# Altium PCB PCB.PcbDoc (part 2 of 5)
Units mm, origin at the board's own origin, x right, y up, seen from the top; angles counter-clockwise.
Board outline 112 x 68.3 mm, 8 copper layers (Top Layer (Sig 1), Ground Plane 1, Signal Layer 2, Power Plane 1, Power Plane 2, Signal Layer 3, Ground Plane 2, Bottom Layer (Sig 4)), stack 1.68 mm thick; 392 components, 293 nets, 1571 pads, 926 vias.
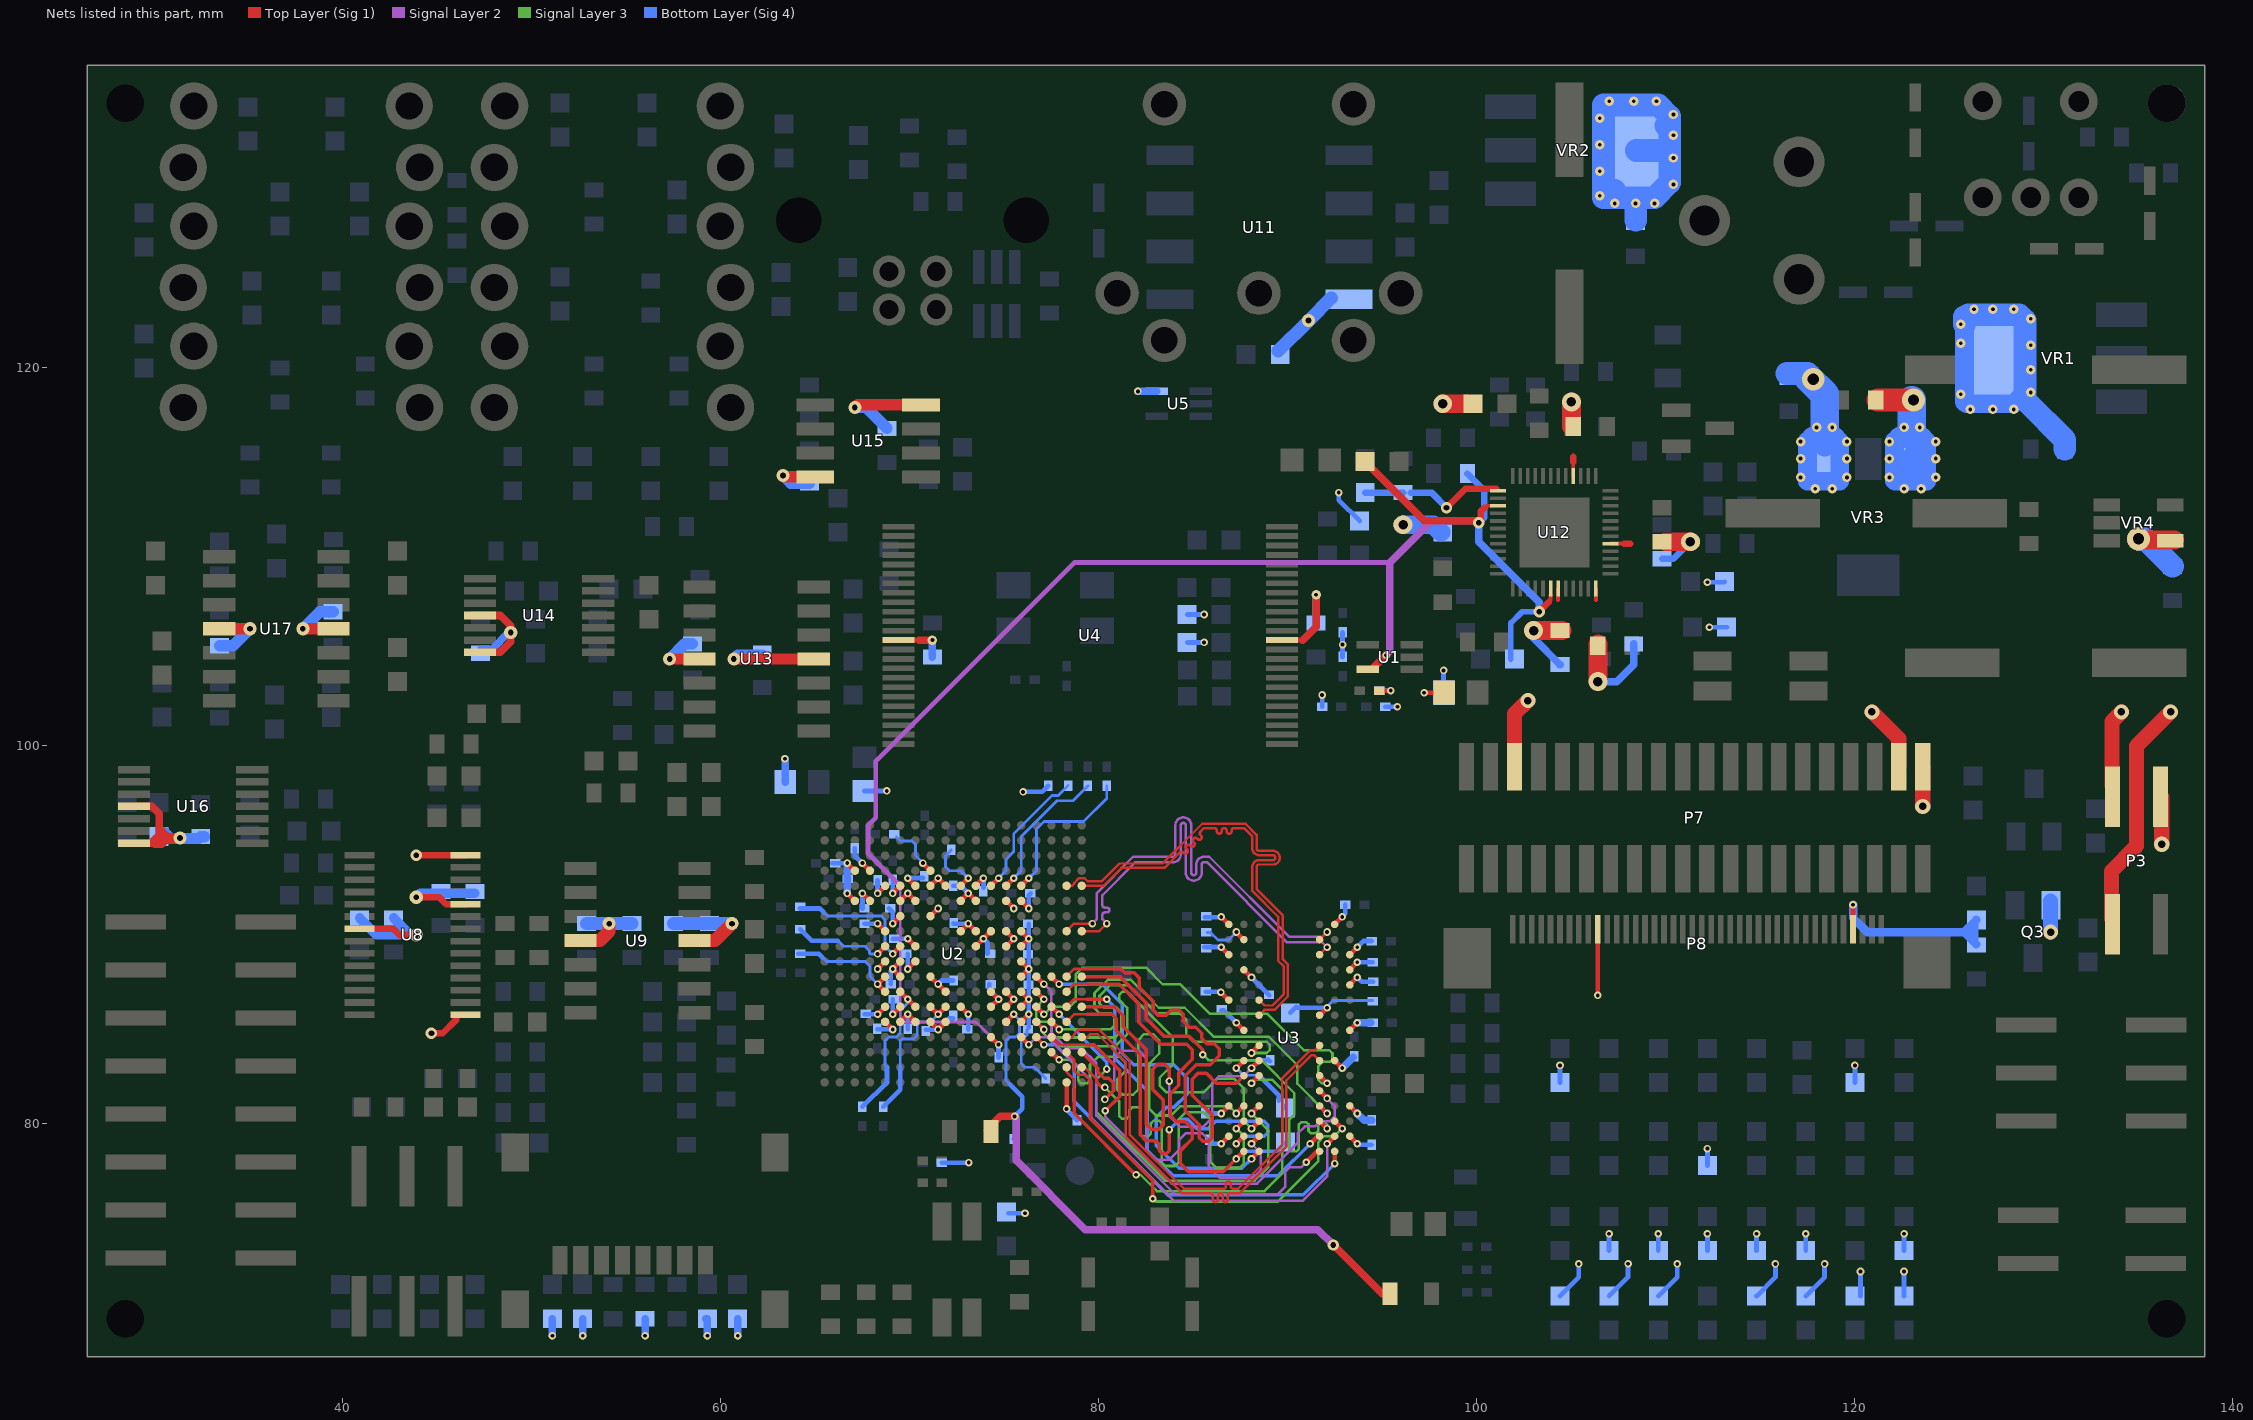
[diagram p8: the nets of this part, all layers, seen from the top]

## Footprints (in the part's own frame and the unit in brackets; to place one, negate y for a bottom-side part, rotate by r counter-clockwise, add the part's x,y. Pads: shape width x height; smd on the part's side, far side on the other; paste and mask are expansions set on the pad) (continued)
ZCZ324 [mm] "BGA_324"
  round 0.45 smd mask+0.051: A1(-6.8,6.8) A2(-6,6.8) A3(-5.2,6.8) A4(-4.4,6.8) A5(-3.6,6.8) A6(-2.8,6.8) A7(-2,6.8) A8(-1.2,6.8) A9(-0.4,6.8) A10(0.4,6.8) A11(1.2,6.8) A12(2,6.8) A13(2.8,6.8) A14(3.6,6.8) A15(4.4,6.8) A16(5.2,6.8) A17(6,6.8) A18(6.8,6.8) B1(-6.8,6) B2(-6,6) B3(-5.2,6) B4(-4.4,6) B5(-3.6,6) B6(-2.8,6) B7(-2,6) B8(-1.2,6) B9(-0.4,6) B10(0.4,6) B11(1.2,6) B12(2,6) B13(2.8,6) B14(3.6,6) B15(4.4,6) B16(5.2,6) B17(6,6) B18(6.8,6) C1(-6.8,5.2) C2(-6,5.2) C3(-5.2,5.2) C4(-4.4,5.2) C5(-3.6,5.2) C6(-2.8,5.2) C7(-2,5.2) C8(-1.2,5.2) C9(-0.4,5.2) C10(0.4,5.2) C11(1.2,5.2) C12(2,5.2) C13(2.8,5.2) C14(3.6,5.2) C15(4.4,5.2) C16(5.2,5.2) C17(6,5.2) C18(6.8,5.2) D1(-6.8,4.4) D2(-6,4.4) D3(-5.2,4.4) D4(-4.4,4.4) D5(-3.6,4.4) D6(-2.8,4.4) D7(-2,4.4) D8(-1.2,4.4) D9(-0.4,4.4) D10(0.4,4.4) D11(1.2,4.4) D12(2,4.4) D13(2.8,4.4) D14(3.6,4.4) D15(4.4,4.4) D16(5.2,4.4) D17(6,4.4) D18(6.8,4.4) E1(-6.8,3.6) E2(-6,3.6) E3(-5.2,3.6) E4(-4.4,3.6) E5(-3.6,3.6) E6(-2.8,3.6) E7(-2,3.6) E8(-1.2,3.6) E9(-0.4,3.6) E10(0.4,3.6) E11(1.2,3.6) E12(2,3.6) E13(2.8,3.6) E14(3.6,3.6) E15(4.4,3.6) E16(5.2,3.6) E17(6,3.6) E18(6.8,3.6) F1(-6.8,2.8) F2(-6,2.8) F3(-5.2,2.8) F4(-4.4,2.8) F5(-3.6,2.8) F6(-2.8,2.8) F7(-2,2.8) F8(-1.2,2.8) F9(-0.4,2.8) F10(0.4,2.8) F11(1.2,2.8) F12(2,2.8) F13(2.8,2.8) F14(3.6,2.8) F15(4.4,2.8) F16(5.2,2.8) F17(6,2.8) F18(6.8,2.8) G1(-6.8,2) G2(-6,2) G3(-5.2,2) G4(-4.4,2) G5(-3.6,2) G6(-2.8,2) G7(-2,2) G8(-1.2,2) G9(-0.4,2) G10(0.4,2) G11(1.2,2) G12(2,2) G13(2.8,2) G14(3.6,2) G15(4.4,2) G16(5.2,2) G17(6,2) G18(6.8,2) H1(-6.8,1.2) H2(-6,1.2) H3(-5.2,1.2) H4(-4.4,1.2) H5(-3.6,1.2) H6(-2.8,1.2) H7(-2,1.2) H8(-1.2,1.2) H9(-0.4,1.2) H10(0.4,1.2) H11(1.2,1.2) H12(2,1.2) H13(2.8,1.2) H14(3.6,1.2) H15(4.4,1.2) H16(5.2,1.2) H17(6,1.2) H18(6.8,1.2) J1(-6.8,0.4) J2(-6,0.4) J3(-5.2,0.4) J4(-4.4,0.4) J5(-3.6,0.4) J6(-2.8,0.4) J7(-2,0.4) J8(-1.2,0.4) J9(-0.4,0.4) J10(0.4,0.4) J11(1.2,0.4) J12(2,0.4) J13(2.8,0.4) J14(3.6,0.4) J15(4.4,0.4) J16(5.2,0.4) J17(6,0.4) J18(6.8,0.4) K1(-6.8,-0.4) K2(-6,-0.4) K3(-5.2,-0.4) K4(-4.4,-0.4) K5(-3.6,-0.4) K6(-2.8,-0.4) K7(-2,-0.4) K8(-1.2,-0.4) K9(-0.4,-0.4) K10(0.4,-0.4) K11(1.2,-0.4) K12(2,-0.4) K13(2.8,-0.4) K14(3.6,-0.4) K15(4.4,-0.4) K16(5.2,-0.4) K17(6,-0.4) K18(6.8,-0.4) L1(-6.8,-1.2) L2(-6,-1.2) L3(-5.2,-1.2) L4(-4.4,-1.2) L5(-3.6,-1.2) L6(-2.8,-1.2) L7(-2,-1.2) L8(-1.2,-1.2) L9(-0.4,-1.2) L10(0.4,-1.2) L11(1.2,-1.2) L12(2,-1.2) L13(2.8,-1.2) L14(3.6,-1.2) L15(4.4,-1.2) L16(5.2,-1.2) L17(6,-1.2) L18(6.8,-1.2) M1(-6.8,-2) M2(-6,-2) M3(-5.2,-2) M4(-4.4,-2) M5(-3.6,-2) M6(-2.8,-2) M7(-2,-2) M8(-1.2,-2) M9(-0.4,-2) M10(0.4,-2) M11(1.2,-2) M12(2,-2) M13(2.8,-2) M14(3.6,-2) M15(4.4,-2) M16(5.2,-2) M17(6,-2) M18(6.8,-2) N1(-6.8,-2.8) N2(-6,-2.8) N3(-5.2,-2.8) N4(-4.4,-2.8) N5(-3.6,-2.8) N6(-2.8,-2.8) N7(-2,-2.8) N8(-1.2,-2.8) N9(-0.4,-2.8) N10(0.4,-2.8) N11(1.2,-2.8) N12(2,-2.8) N13(2.8,-2.8) N14(3.6,-2.8) N15(4.4,-2.8) N16(5.2,-2.8) N17(6,-2.8) N18(6.8,-2.8) P1(-6.8,-3.6) P2(-6,-3.6) P3(-5.2,-3.6) P4(-4.4,-3.6) P5(-3.6,-3.6) P6(-2.8,-3.6) P7(-2,-3.6) P8(-1.2,-3.6) P9(-0.4,-3.6) P10(0.4,-3.6) P11(1.2,-3.6) P12(2,-3.6) P13(2.8,-3.6) P14(3.6,-3.6) P15(4.4,-3.6) P16(5.2,-3.6) P17(6,-3.6) P18(6.8,-3.6) R1(-6.8,-4.4) R2(-6,-4.4) R3(-5.2,-4.4) R4(-4.4,-4.4) R5(-3.6,-4.4) R6(-2.8,-4.4) R7(-2,-4.4) R8(-1.2,-4.4) R9(-0.4,-4.4) R10(0.4,-4.4) R11(1.2,-4.4) R12(2,-4.4) R13(2.8,-4.4) R14(3.6,-4.4) R15(4.4,-4.4) R16(5.2,-4.4) R17(6,-4.4) R18(6.8,-4.4) T1(-6.8,-5.2) T2(-6,-5.2) T3(-5.2,-5.2) T4(-4.4,-5.2) T5(-3.6,-5.2) T6(-2.8,-5.2) T7(-2,-5.2) T8(-1.2,-5.2) T9(-0.4,-5.2) T10(0.4,-5.2) T11(1.2,-5.2) T12(2,-5.2) T13(2.8,-5.2) T14(3.6,-5.2) T15(4.4,-5.2) T16(5.2,-5.2) T17(6,-5.2) T18(6.8,-5.2) U1(-6.8,-6) U2(-6,-6) U3(-5.2,-6) U4(-4.4,-6) U5(-3.6,-6) U6(-2.8,-6) U7(-2,-6) U8(-1.2,-6) U9(-0.4,-6) U10(0.4,-6) U11(1.2,-6) U12(2,-6) U13(2.8,-6) U14(3.6,-6) U15(4.4,-6) U16(5.2,-6) U17(6,-6) U18(6.8,-6) V1(-6.8,-6.8) V2(-6,-6.8) V3(-5.2,-6.8) V4(-4.4,-6.8) V5(-3.6,-6.8) V6(-2.8,-6.8) V7(-2,-6.8) V8(-1.2,-6.8) V9(-0.4,-6.8) V10(0.4,-6.8) V11(1.2,-6.8) V12(2,-6.8) V13(2.8,-6.8) V14(3.6,-6.8) V15(4.4,-6.8) V16(5.2,-6.8) V17(6,-6.8) V18(6.8,-6.8)
  silkscreen extent -8.8,-7.87 7.87,7.87, body extent -7.54,-7.54 7.54,7.54, height 1.4

## Part data
C1 C2 C4 C5 C6 C7 C12 C115 C119 C120 C121 C122 C123 C125 C126 C127 C128 C130 C131 C132 C134 C136 C139 C141 C142 C143 C144 C176 C177 C178 C179 C180 C181 C182 C183 C184 C185 C186 C187 C188 C189 C190 C191 C192 C193 C194 C195 C196 C197 C198 C199 C200 C201 C202 C203 C204 C205 C206 C207 C208 C209: library part "Cap Semi", "Capacitor (Semiconductor SIM Model)"
C3 C8 C9 C10: library part "Cap Pol1", "Polarized Capacitor (Radial)"
C11 C39 C40 C41 C124 C129 C133 C135 C137 C138 C140: library part "Cap Semi", "Capacitor"
C13 C14 C15 C16 C17 C18 C19 C20 C21 C22 C23 C24 C25 C26 C27 C28 C29 C30 C31 C32 C33 C34 C35 C36 C37 C38 C42 C43 C44 C45 C46 C47 C48 C49 C50 C51 C52 C53 C54 C55 C56 C57 C58 C59 C60 C61 C62 C63 C64 C65 C66 C67 C68 C69 C70 C71 C72 C73 C74 C75 C76 C77 C78 C79 C80 C81 C82 C83 C84 C85 C86 C87 C88 C89 C90 C91 C92 C93 C94 C95 C96 C97 C98 C99 C100 C101 C102 C103 C104 C105 C106 C107 C108 C109 C110 C111 C112 C113 C114: library part Cap, "Capacitor"
C116 C117 C118 C158 C159 C160 C161 C162 C163 C164 C165 C166 C167 C168 C169 C170 C171 C172 C173 C174 C175: "Capacitor"
D1 D2 D3 D4 D5 D6 D7 D8 D9: "Diode signaux faibles"
D10: "Zener Diode"
D11: library part LNJ037X8ARA, "LED Blanc"
J1: library part Phonejack2, "Jack Socket Thru-Hole Vertical 2-Conductor Open Circuit"
J2: library part Pad
J3 J4: library part "Dual TRS Jack Bypassed", "Dual Jack stereo bypassed"
L1 L2 L3: library part Inductor
L4: "470nH"
P1: "Header, 8-Pin, Dual row"
P2: "Header, 3-Pin, Dual row"
P3: "Header, 2-Pin, Dual row"
P4: library part JTAG, "Connecteurs carte à carte"
P5: library part UART, "Connecteurs carte à carte"
P6: library part 67068-8010, "Connecteur USB-Type-B"
P7: "Connecteur LCD & Touch screen (limande)"
P8: "Connecteur LCD & Touch screen"
P9: library part MicroSD, "Embase mémoire"
P10: library part "DIN 5pin", "DIN 5pin"
Q1: library part CRYS_32_768KHz_CMS32
Q2: library part XTAL, "Crystal Oscillator"
Q3: "NPN Bipolar Transistor"
Q4: "PNP Bipolar Transistor"
R1 R2 R3 R6 R7 R8 R9 R10 R16 R17 R18 R19 R20 R21 R22 R23 R24 R25 R26 R27 R28 R29 R30 R31 R32 R33 R34 R35 R36 R37 R38 R39 R40 R41 R42 R43 R44 R45 R46 R47 R48 R49 R50 R51 R52 R53 R54 R55 R81 R82 R83 R84 R85 R86 R87 R88 R89 R138 R139: "Resistor"
R4 R5 R11 R12 R13 R14 R15: library part Res2, "Resistor"
R56 R57 R58 R59 R60 R61 R62 R63 R64 R65 R66 R67 R68 R69 R70 R71 R72 R73 R74 R75 R78 R79 R80 R90 R91 R92 R93 R94 R95 R96 R97 R98 R99 R100 R101 R102 R103 R104 R105 R106 R107 R108 R109 R110 R111 R112 R113 R114 R115 R116 R117 R118 R119 R120 R121 R122 R123 R124 R125 R126 R127 R128 R129 R130 R131 R132 R133 R134 R135 R136 R137: library part Res3, "Resistor"
S1: "SPDT Subminiature Toggle Switch, Right Angle Mounting, Vertical Actuation"
S2 S3: "Commutateur tactile"
U1 U5: "Buffers & Transmetteurs"
U2: "Microprocesseur ARM"
U3: "Mémoire DDR3/SRAM"
U4: "Mémoire Flash/NAND"
U7: "Protection_ESD"
U8: "Stereo In/Out Audio Codec"
U9 U13 U17: "Quad Audio OpAmp"
U11: "Optocoupler"
U12: "Gestion d'alimentation PMIC"
U14 U16: "Dual DigiPot non volatile I2C"
U15: "Dual Audio OpAmp"
VR1 VR2 VR3 VR4: library part "Volt Reg", "Voltage Regulator"

## Free pads (board coordinates)
  round 0 hole 2: ""(28.5,69.7) ""(28.5,134) ""(136.5,69.7)
  round 2 hole 2: ""(136.5,134)

## Via types
v1: diameter 0.4, hole 0.2, Top Layer (Sig 1) to Bottom Layer (Sig 4), tented top, 394 vias
v2: diameter 0.4, hole 0.2, Top Layer (Sig 1) to Bottom Layer (Sig 4), 265 vias
v3: diameter 0.4, hole 0.2, Top Layer (Sig 1) to Bottom Layer (Sig 4), tented bottom, 83 vias
v4: diameter 0.5, hole 0.2, Top Layer (Sig 1) to Bottom Layer (Sig 4), 44 vias
v5: diameter 1.2, hole 0.6, Top Layer (Sig 1) to Bottom Layer (Sig 4), 27 vias
v6: diameter 0.6, hole 0.3, Top Layer (Sig 1) to Bottom Layer (Sig 4), tented bottom, 15 vias
v7: diameter 0.7, hole 0.3, Top Layer (Sig 1) to Bottom Layer (Sig 4), 15 vias
v8: diameter 0.7, hole 0.3, Top Layer (Sig 1) to Bottom Layer (Sig 4), tented bottom, 13 vias
v9: diameter 0.6, hole 0.3, Top Layer (Sig 1) to Bottom Layer (Sig 4), 10 vias
v10: diameter 0.5, hole 0.2, Top Layer (Sig 1) to Bottom Layer (Sig 4), tented top, 10 vias
v11: diameter 0.5, hole 0.2, Top Layer (Sig 1) to Bottom Layer (Sig 4), tented bottom, 9 vias
v12: diameter 0.6, hole 0.3, Top Layer (Sig 1) to Bottom Layer (Sig 4), tented top, 9 vias
v13: diameter 0.8, hole 0.4, Top Layer (Sig 1) to Bottom Layer (Sig 4), 8 vias
v14: diameter 1, hole 0.5, Top Layer (Sig 1) to Bottom Layer (Sig 4), tented top, 7 vias
v15: diameter 1, hole 0.5, Top Layer (Sig 1) to Bottom Layer (Sig 4), tented bottom, 5 vias
v16: diameter 1.2, hole 0.6, Top Layer (Sig 1) to Bottom Layer (Sig 4), tented bottom, 4 vias
v17: diameter 0.8, hole 0.4, Top Layer (Sig 1) to Bottom Layer (Sig 4), tented bottom, 3 vias
v18: diameter 0.8, hole 0.4, Top Layer (Sig 1) to Bottom Layer (Sig 4), tented top, 2 vias
v19: diameter 0.4, hole 0.2, Top Layer (Sig 1) to Bottom Layer (Sig 4), tented both sides, 1 vias
v20: diameter 0.7, hole 0.3, Top Layer (Sig 1) to Bottom Layer (Sig 4), tented top, 1 vias
v21: diameter 1.2, hole 0.6, Top Layer (Sig 1) to Bottom Layer (Sig 4), tented top, 1 vias

## Nets (pads, with @x,y where several pads share a name; then routed paths per layer and width w, separated by ;. In a path a pad name is that pad's centre, name@x,y a point inside that pad or via, vN(x,y) a via of type N, cw(c..) or ccw(c..) an arc to the next point about the centre after c; other vN are vias at no path point)
#CAS: U2.F1 U3.K3 | length 24
  Top Layer (Sig 1) w0.184: U2.F1@79.1,86.2 80.824,86.201 81.3,85.725 81.3,85.15 82.525,83.925 82.525,79.975 82.775,79.725 83.175,79.725 83.425,79.975 83.425,81.25 82.85,81.825 82.85,82.9 83.1,83.15 83.5,83.15 83.73,82.92 v2(83.73,82.27)
  Top Layer (Sig 1) w0.25: v1(88.08,82.955) U3.K3@88.48,83.355
  Signal Layer 2 w0.134: v2(83.73,82.27) 83.73,80.42 84.3,79.85 85.525,79.85 86,80.325 86,82.175 86.35,82.525 87.649,82.525 v1(88.08,82.955)
#CS: U2.H2 U3.L2 | length 25
  Top Layer (Sig 1) w0.14: U2.H2@78.3,87.8 78.701,88.201 79.254,88.201
  Top Layer (Sig 1) w0.184: 79.254,88.201 81.174,88.201 81.375,88 81.875,88 82.15,87.725 82.15,87.225 82.875,86.5 82.875,86.025 83.159,85.741 83.541,85.741 83.825,86.025 84.25,86.025 84.475,85.8 84.475,85.425 84.775,85.125 85.125,85.125 85.45,84.8 85.45,84.525 85.725,84.25 86.1,84.25 86.375,83.975 86.375,83.6 85.9,83.125 85.15,83.125 84.575,82.55 84.575,80.7 85.325,79.95 85.325,79.275 85.5,79.1 85.825,79.1 86,79.275 86,80.475 84.95,81.525 84.95,82.375 85.25,82.675 85.7,82.675 86.223,82.152 87.277,82.152 U3.L2@87.68,82.555
#RAS: U2.G4 U3.J3 | length 22.6
  Top Layer (Sig 1) w0.25: U2.G4@76.7,87 v1(77.1,86.6) ; v1(88.08,83.755) U3.J3@88.48,84.155
  Signal Layer 3 w0.134: v1@77.101,86.6 76.701,86.2 76.701,85.616 76.916,85.4 77.297,85.4 77.501,85.197 77.501,84.81 77.736,84.575 80.85,84.575 81.2,84.925 81.2,85.9 80.93,86.17 80.255,86.17 80.04,86.385 80.04,86.78 80.61,87.35 81.571,87.35 83.076,85.845 84.305,85.845 84.625,85.525 84.625,84.725 85,84.35 88.887,84.35 89.05,84.187 89.05,83.925 88.88,83.755 v1(88.08,83.755)
#RESET: R12.1 U2.G2 U3.T2 | length 23.3
  Top Layer (Sig 1) w0.14: U2.G2@78.3,87 78.696,87.396 79.4,87.396
  Top Layer (Sig 1) w0.184: 79.4,87.396 81.079,87.396 82.125,86.35 82.125,85.375 83.275,84.225 84.65,84.225 84.95,83.925 84.95,83.425 84.225,82.7 84.225,82.05 83.775,81.6 83.775,80.45 84.1,80.125 84.575,80.125 84.95,79.75 84.95,79.225 84.325,78.6 84.325,77.9 84.75,77.475 86.592,77.475 v1@87.244,78.127
  Top Layer (Sig 1) w0.25: v1(87.28,78.155) U3.T2@87.679,78.555
  Bottom Layer (Sig 4) w0.184: v1@87.244,78.127 87.664,78.547 89.387,78.547 R12.1@89.88,79.04
#WE: U2.B2 U3.L3 | length 22.6
  Top Layer (Sig 1) w0.14: U2.B2@78.3,83 78.3,82.761 78.697,82.364 78.697,81.878 78.7,81.875
  Top Layer (Sig 1) w0.184: 78.7,81.875 78.7,80.568 v1@81.963,77.305
  Top Layer (Sig 1) w0.25: v1(88.08,82.155) U3.L3@88.479,82.555
  Signal Layer 3 w0.134: v1@81.952,77.317 v1(81.975,77.317) 82.206,77.317 83.073,76.45 88.775,76.45 89.699,77.374 89.699,81.826 89.175,82.35 88.274,82.35 v1(88.08,82.155)
+1.1V_CORE: C51.2 C52.1 C53.1 C54.1 C55.1 C56.1 C57.1 C58.1 C59.1 C60.1 C61.1 C62.1 C63.1 C64.1 C167.1 L7.2 U2.F6 U2.F7 U2.G6 U2.G7 U2.G10 U2.H11 U2.J12 U2.K6 U2.K8 U2.K12 U2.L6 U2.L7 U2.L8 U2.L9 U2.M11 U2.M13 U2.N8 U2.N9 U2.N12 U2.N13 U12.29 | length 26.8
  Top Layer (Sig 1) w0.2: U12.29@107.075,110.7 107.7,110.7
  Top Layer (Sig 1) w0.25: v1(69.1,90.6) U2.M13@69.5,91 ; U2.N13@69.5,91.8 v1(69.9,92.2) U2.N12@70.3,91.8 ; v1(69.9,88.2) U2.J12@70.3,88.6 ; v1(69.9,89.8) U2.K12@70.3,89.4 ; U2.H11@71.1,87.8 v1(71.5,87.4) U2.G10@71.9,87 ; U2.M11@71.1,91 v1(71.5,91.4) ; U2.L9@72.7,90.2 v1(73.1,90.6) U2.L8@73.5,90.2 ; U2.N9@72.7,91.8 v1(73.1,92.2) U2.N8@73.5,91.8 ; U2.K8@73.5,89.4 v1(73.9,89.8) U2.L7@74.3,90.2 ; U2.F7@74.3,86.2 v1(74.7,86.6) U2.G7@74.3,87 ; U2.F6@75.1,86.2 v1(75.5,86.6) U2.G6@75.1,87 ; U2.K6@75.1,89.4 v1(75.5,89.8) U2.L6@75.1,90.2 ; C62.1@94.833,102.925 v1(95.45,102.925)
  Top Layer (Sig 1) w0.35: 107.8,110.7 108.1,110.7
  Top Layer (Sig 1) w1: C167.1@110,110.8 v14(111.3,110.8)
  Bottom Layer (Sig 4) w0.25: C58.1@68.892,91.4 69.1,91.192 v1(69.1,90.6) ; C52.1@69.108,89.8 v1(69.9,89.8) ; v1@69.892,88.208 C61.1@69.892,89 ; v1(71.5,87.4) 71.692,87.592 C53.1@72.3,87.592 ; C56.1@72.3,90.608 72.308,90.6 v1(73.1,90.6) ; C60.1@72.3,92.608 72.692,92.608 v1(73.1,92.2) ; v1(73.9,89.8) 74.116,89.584 C57.1@74.116,89 ; C55.1@74.208,87.4 74.208,87.092 v1(74.7,86.6) ; C63.1@91.817,102.075 v3(91.817,102.692) ; C64.1@92.9,104.708 v1(92.9,105.362) C59.1@92.9,106.017 ; C54.1@94.833,102.925 v1(95.45,102.925) ; C51.2@98.242,102.812 v2(98.242,103.992)
  Bottom Layer (Sig 4) w0.35: L7.2@109.8,109.9 110.4,109.9 v14(111.3,110.8)
+1.1V_MPU: C73.1 C74.1 C75.1 C76.1 C77.1 C165.1 L6.2 U2.A2 U2.F10 U2.F11 U2.F12 U2.F13 U2.G13 U2.H13 U2.J13 U12.24 | length 27.6
  Top Layer (Sig 1) w0.2: 106.3,107.7 U12.24@106.3,108.325
  Top Layer (Sig 1) w0.25: v1(69.1,85.8) U2.F13@69.5,86.2 ; U2.G13@69.5,87 v1(69.9,86.6) U2.F12@70.3,86.2 ; U2.H13@69.5,87.8 v1(69.1,88.2) U2.J13@69.5,88.6 ; U2.F11@71.1,86.2 v1(71.5,85.8) U2.F10@71.9,86.2 ; v1(78.3,80.8) 78.314,80.814 78.314,82.186 U2.A2@78.3,82.2
  Top Layer (Sig 1) w1: v15(106.4,103.4) C165.1@106.4,105.4
  Bottom Layer (Sig 4) w0.15: 68.8,83 68.7,83.1 68.7,84.4 68.9,84.6 69.3,84.6 69.5,84.8 69.5,86 69.9,86.4 v1(69.9,86.6) ; 69.5,83 69.5,84.4 69.6,84.5 70.2,84.5 70.4,84.7 70.4,85.25 70.55,85.4 71.1,85.4 v1(71.5,85.8)
  Bottom Layer (Sig 4) w0.25: C76.1@67.5,80.908 68.8,82.208 68.8,83 ; C74.1@68.6,80.908 69.5,81.808 69.5,83 ; C77.1@68.992,87.4 68.992,88.092 v1(69.1,88.2) ; v1(69.1,85.8) 69.108,85.808 C75.1@69.108,86.6 ; v1(78.3,80.8) 78.3,80.758 C73.1@78.85,80.208
  Bottom Layer (Sig 4) w0.4: v15(106.4,103.4) 107.4,103.4 108.3,104.3 L6.2@108.3,105.4
+1.5V_DDR: C14.2 C20.1 C21.1 C23.1 C24.1 C25.1 C26.1 C27.1 C28.1 C29.1 C30.1 C31.1 C32.1 C33.1 C34.1 C35.1 C36.1 C37.1 C38.1 C109.1 C110.1 C111.1 C112.1 C113.1 C114.2 C163.1 L5.2 R4.2 R12.2 U2.E5 U2.F5 U2.G5 U2.H5 U2.J5 U2.K5 U2.L5 U3.A1 U3.A8 U3.B2 U3.C1 U3.C9 U3.D2 U3.D9 U3.E9 U3.F1 U3.G7 U3.H2 U3.H9 U3.K2 U3.K8 U3.N1 U3.N9 U3.R1 U3.R9 U12.19 | length 54.5
  Top Layer (Sig 1) w0.2: 104.3,107.7 U12.19@104.3,108.325
  Top Layer (Sig 1) w0.25: U2.E5@75.9,85.4 v1(76.3,85.8) ; U2.F5@75.9,86.2 v1(76.3,86.6) U2.G5@75.9,87 ; U2.H5@75.9,87.8 v1(76.3,88.2) U2.J5@75.9,88.6 ; U2.K5@75.9,89.4 v1(76.3,89.8) U2.L5@75.9,90.2 ; v1(86.463,86.972) U3.F1@86.88,86.555 ; v1(86.48,78.955) U3.R1@86.879,79.355 ; v1(86.48,80.555) U3.N1@86.879,80.955 ; v1(86.48,89.355) U3.C1@86.88,88.955 ; v1(86.48,90.955) U3.A1@86.88,90.555 ; v1(87.28,82.955) U3.K2@87.679,83.355 ; v1(87.28,85.355) U3.H2@87.68,84.955 ; v1(87.28,90.155) U3.B2@87.68,89.755 ; U3.D2@87.68,88.155 v1(88.08,87.755) ; U3.G7@91.68,85.755 v1(92.08,86.155) ; U3.K8@92.48,83.355 v1(92.88,82.955) ; U3.A8@92.48,90.555 v1(92.88,90.955) ; U3.R9@93.28,79.355 v1(93.68,78.955) ; U3.N9@93.28,80.955 v1(93.68,80.555) ; U3.H9@93.28,84.955 v1(93.68,85.355) ; U3.E9@93.28,87.355 v1(93.68,87.755) ; U3.D9@93.28,88.155 v1(93.68,88.555) ; U3.C9@93.28,88.955 v1(93.68,89.355) ; v1(97.212,102.813) C114.2@98.267,102.813
  Top Layer (Sig 1) w1: v14(103,106.1) C163.1@104.5,106.1
  Bottom Layer (Sig 4) w0.15: C110.1@76.208,85 76.208,84.708 75.9,84.4 75.9,83.2 76.1,83 76.608,83 C112.1@77.2,82.408 ; C26.1@85.731,90.137 85.897,90.137 86.304,89.73 86.855,89.73 v1(87.28,90.155) ; 88.475,82.575 87.66,82.575 v1(87.28,82.955) 87.699,83.375 88.475,83.375 ; v1(92.08,86.155) 92.08,86.205 92.404,86.53 C33.1@94.492,86.53 ; v1(93.68,78.955) v1@93.729,78.906
  Bottom Layer (Sig 4) w0.25: C109.1@76.292,90.6 76.292,89.808 v1(76.3,89.8) v1(76.3,88.2) v1(76.3,86.6) v1(76.3,85.8) C110.1@76.3,85.108 ; C28.1@85.582,89.363 86.472,89.363 v1(86.48,89.355) ; C23.1@85.612,90.939 86.464,90.939 v1(86.48,90.955) ; C27.1@85.654,86.997 v1@86.412,86.997 ; C38.1@85.681,80.559 85.685,80.555 v1(86.48,80.555) ; C32.1@85.79,79.193 86.028,78.955 v1(86.48,78.955) ; C25.1@86.492,86 86.635,86 v1(87.28,85.355) v1@87.321,85.396 ; v1(88.08,87.755) C20.1@89.022,86.814 ; 88.475,82.575 89.525,81.525 R12.2@89.525,81.225 ; 88.475,83.375 C36.1@88.964,83.375 ; C36.1@88.964,83.409 C36.1@89.055,83.318 ; R12.2@89.88,80.84 R12.2@89.88,80.956 ; R4.2@90.13,85.88 90.455,86.205 90.506,86.155 v1(92.08,86.155) ; v1(92.88,90.955) 93.043,91.118 C35.1@93.043,91.616 ; v1(93.68,87.755) 93.91,87.525 C21.1@94.517,87.525 ; v1(93.68,89.355) 94,89.675 C29.1@94.442,89.675 ; v1@93.719,88.594 v1(93.68,88.555) C30.1@94.492,88.555 ; v1@93.729,78.906 C34.1@94.432,78.906 ; C31.1@94.396,85.355 C31.1@94.413,85.338 ; C113.1@95.158,102.075 v1(95.8,102.075)